# Altium PCB PCB1-nano-withlogo-SMT.PcbDoc (part 4 of 5) (continued)
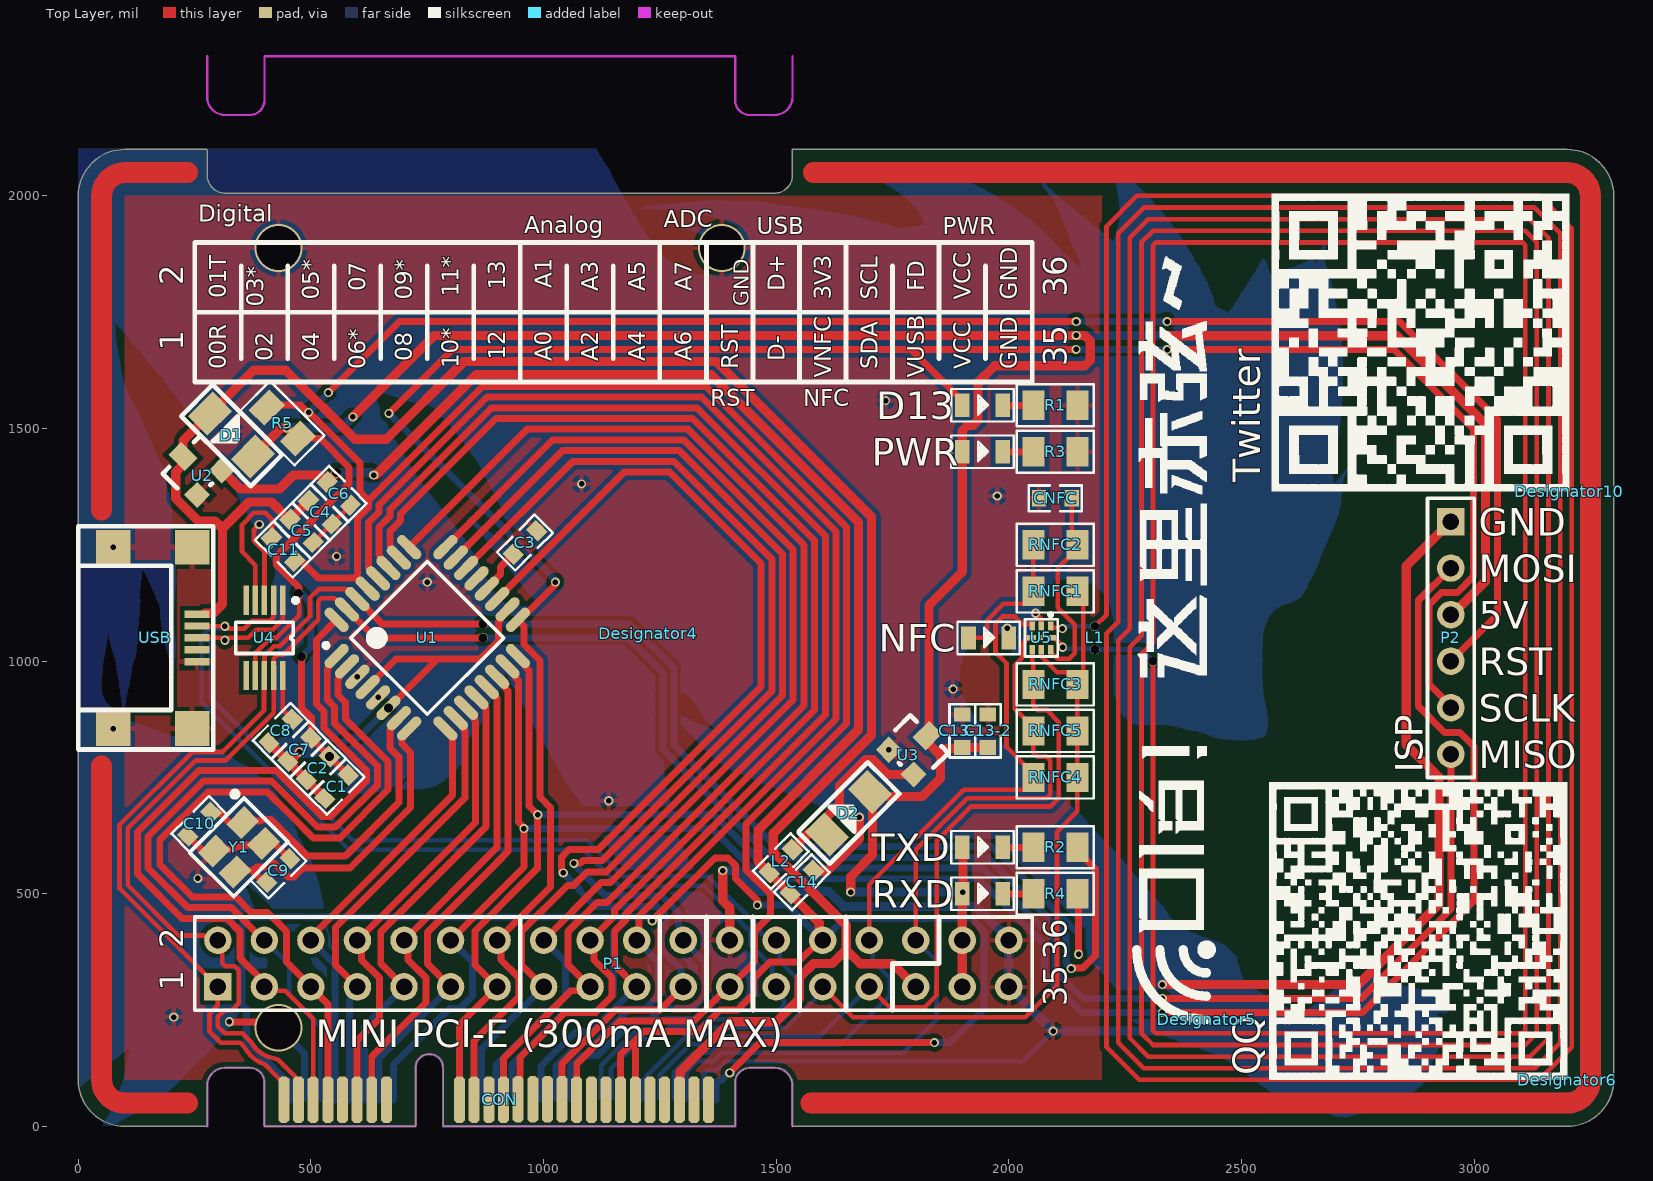
[diagram p0: Top Layer view]
## Nets (pads, with @x,y where several pads share a name; then routed paths per layer and width w, separated by ;. In a path a pad name is that pad's centre, name@x,y a point inside that pad or via, vN(x,y) a via of type N, cw(c..) or ccw(c..) an arc to the next point about the centre after c; other vN are vias at no path point) (continued)
; 2003,1013 2012,1013 ; 2003,1014 2014,1014 ; 2004,1015 2015,1015 ; 2005,586 2233,586 ; 2005,1016 2017,1016 ; 2005,1017 2018,1017 ; 2005,1018 2019,1018 ; 2006,585 2234,585 ; 2006,1019 2020,1019 ; 2006,1020 2020,1020 ; 2006,1021 2021,1021 ; 2006,1022 2022,1022 ; 2006,1023 2023,1023 ; 2007,584 2235,584 ; 2007,1024 2023,1024 ; 2007,1025 2024,1025 ; 2007,1026 2025,1026 ; 2008,583 2236,583 ; 2008,1027 2025,1027 ; 2008,1028 2026,1028 ; 2008,1029 2027,1029 ; 2008,1030 2027,1030 ; 2009,582 2237,582 ; 2009,1031 2028,1031 ; 2009,1032 2029,1032 ; 2009,1033 2030,1033 ; 2009,1034 2030,1034 ; 2010,580 2238,580 ; 2010,581 2238,581 ; 2010,1035 2031,1035 ; 2010,1036 2032,1036 ; 2010,1037 2032,1037 ; 2010,1038 2033,1038 ; 2011,579 2239,579 ; 2011,1039 2034,1039 ; 2011,1040 2035,1040 ; 2011,1041 2035,1041 ; 2012,578 2240,578 ; 2012,1042 2036,1042 ; 2012,1043 2037,1043 ; 2013,577 2241,577 ; 2013,1044 2038,1044 ; 2013,1045 2038,1045 ; 2013,1046 2039,1046 ; 2014,576 2242,576 ; 2014,1047 2040,1047 ; 2014,1048 2040,1048 ; 2014,1049 2041,1049 ; 2015,575 2242,575 ; 2015,1050 2042,1050 ; 2015,1051 2042,1051 ; 2016,574 2243,574 ; 2016,1052 2043,1052 ; 2016,1053 2043,1053 ; 2016,1054 2044,1054 ; 2017,573 2244,573 ; 2017,1055 2045,1055 ; 2017,1056 2045,1056 ; 2017,1057 2046,1057 ; 2018,572 2245,572 ; 2018,1058 2046,1058 ; 2018,1059 2046,1059 ; 2018,1060 2047,1060 ; 2018,1061 2047,1061 ; 2018,1062 2048,1062 ; 2019,571 2245,571 ; 2020,570 2246,570 ; 2021,569 2247,569 ; 2022,568 2248,568 ; 2023,567 2248,567 ; 2024,566 2249,566 ; 2025,565 2250,565 ; 2026,564 2251,564 ; 2027,563 2252,563 ; 2028,562 2253,562 ; 2029,561 2253,561 ; 2030,560 2254,560 ; 2031,559 2255,559 ; 2032,558 2256,558 ; 2033,557 2257,557 ; 2034,556 2257,556 ; 2035,555 2258,555 ; 2036,554 2259,554 ; 2037,553 2260,553 ; 2038,552 2261,552 ; 2039,551 2262,551 ; 2040,550 2262,550 ; 2041,549 2263,549 ; 2042,548 2264,548 ; 2043,547 2265,547 ; 2044,546 2266,546 ; 2045,545 2267,545 ; 2046,544 2268,544 ; 2047,543 2269,543 ; 2048,542 2270,542 ; 2049,541 2271,541 ; 2050,540 2272,540 ; 2051,539 2273,539 ; 2052,538 2274,538 ; 2053,537 2275,537 ; 2054,536 2276,536 ; 2055,535 2277,535 ; 2056,534 2278,534 ; 2057,533 2279,533 ; 2058,532 2280,532 ; 2059,531 2281,531 ; 2060,530 2281,530 ; 2061,529 2282,529 ; 2062,528 2283,528 ; 2063,527 2284,527 ; 2064,526 2285,526 ; 2065,525 2286,525 ; 2066,524 2287,524 ; 2067,523 2288,523 ; 2068,522 2289,522 ; 2068,2031 2071,2031 ; 2068,2032 2070,2032 ; 2069,521 2289,521 ; 2069,2029 2073,2029 ; 2069,2030 2072,2030 ; 2070,520 2290,520 ; 2070,2027 2077,2027 ; 2070,2028 2075,2028 ; 2071,519 2291,519 ; 2071,2026 2078,2026 ; 2072,518 2292,518 ; 2072,2024 2080,2024 ; 2072,2025 2079,2025 ; 2073,517 2292,517 ; 2073,2022 2082,2022 ; 2073,2023 2081,2023 ; 2074,516 2293,516 ; 2074,2021 2083,2021 ; 2075,515 2294,515 ; 2075,2019 2085,2019 ; 2075,2020 2084,2020 ; 2076,514 2295,514 ; 2076,2018 2086,2018 ; 2077,513 2295,513 ; 2077,2016 2088,2016 ; 2077,2017 2087,2017 ; 2078,2015 2089,2015 ; 2079,2014 2090,2014 ; 2080,512 2296,512 ; 2080,2012 2093,2012 ; 2080,2013 2092,2013 ; 2081,511 2297,511 ; 2081,2011 2094,2011 ; 2082,510 2298,510 ; 2082,2010 2095,2010 ; 2083,509 2299,509 ; 2083,2009 2096,2009 ; 2084,508 2300,508 ; 2084,2008 2097,2008 ; 2085,505 2303,505 ; 2085,506 2302,506 ; 2085,507 2301,507 ; 2085,2007 2098,2007 ; 2086,504 2304,504 ; 2086,2005 2100,2005 ; 2086,2006 2099,2006 ; 2087,503 2305,503 ; 2087,2004 2101,2004 ; 2088,502 2306,502 ; 2088,2003 2102,2003 ; 2089,501 2307,501 ; 2089,2002 2103,2002 ; 2090,500 2308,500 ; 2090,2001 2104,2001 ; 2091,499 2309,499 ; 2091,2000 2105,2000 ; 2092,498 2310,498 ; 2092,1999 2106,1999 ; 2093,497 2311,497 ; 2093,1998 2107,1998 ; 2094,496 2311,496 ; 2094,1997 2108,1997 ; 2095,495 2312,495 ; 2095,1996 2109,1996 ; 2096,494 2313,494 ; 2096,1994 2112,1994 ; 2096,1995 2110,1995 ; 2097,493 2314,493 ; 2097,1993 2113,1993 ; 2098,492 2314,492 ; 2098,1990 2116,1990 ; 2098,1991 2115,1991 ; 2098,1992 2114,1992 ; 2099,491 2315,491 ; 2099,1988 2118,1988 ; 2099,1989 2117,1989 ; 2100,490 2316,490 ; 2100,1986 2120,1986 ; 2100,1987 2119,1987 ; 2101,489 2317,489 ; 2101,1983 2125,1983 ; 2101,1984 2123,1984 ; 2101,1985 2121,1985 ; 2102,488 2317,488 ; 2102,1980 2130,1980 ; 2102,1981 2129,1981 ; 2102,1982 2127,1982 ; 2103,487 2318,487 ; 2103,1977 2133,1977 ; 2103,1978 2132,1978 ; 2103,1979 2131,1979 ; 2104,486 2319,486 ; 2104,1975 2136,1975 ; 2104,1976 2134,1976 ; 2105,485 2320,485 ; 2105,1973 2138,1973 ; 2105,1974 2137,1974 ; 2106,484 2321,484 ; 2106,1971 2140,1971 ; 2106,1972 2139,1972 ; 2107,483 2321,483 ; 2107,1970 2141,1970 ; 2108,482 2322,482 ; 2108,1968 2144,1968 ; 2108,1969 2143,1969 ; 2109,481 2323,481 ; 2109,1966 2146,1966 ; 2109,1967 2145,1967 ; 2110,480 2325,480 ; 2110,1964 2149,1964 ; 2110,1965 2147,1965 ; 2111,479 2326,479 ; 2111,1961 2152,1961 ; 2111,1962 2151,1962 ; 2111,1963 2150,1963 ; 2112,478 2326,478 ; 2112,1958 2157,1958 ; 2112,1959 2155,1959 ; 2112,1960 2154,1960 ; 2113,477 2327,477 ; 2113,1955 2162,1955 ; 2113,1956 2160,1956 ; 2113,1957 2159,1957 ; 2114,476 2328,476 ; 2114,1952 2166,1952 ; 2114,1953 2165,1953 ; 2114,1954 2164,1954 ; 2115,475 2329,475 ; 2115,1949 2169,1949 ; 2115,1950 2168,1950 ; 2115,1951 2167,1951 ; 2116,474 2330,474 ; 2116,1946 2172,1946 ; 2116,1947 2171,1947 ; 2116,1948 2170,1948 ; 2117,473 2331,473 ; 2117,1944 2174,1944 ; 2117,1945 2173,1945 ; 2118,472 2332,472 ; 2118,1941 2177,1941 ; 2118,1942 2176,1942 ; 2118,1943 2175,1943 ; 2119,471 2333,471 ; 2119,1939 2180,1939 ; 2119,1940 2179,1940 ; 2120,470 2334,470 ; 2120,1937 2182,1937 ; 2120,1938 2181,1938 ; 2121,469 2335,469 ; 2121,1934 2186,1934 ; 2121,1935 2185,1935 ; 2121,1936 2184,1936 ; 2122,468 2335,468 ; 2122,1932 2188,1932 ; 2122,1933 2187,1933 ; 2123,467 2336,467 ; 2123,1929 2192,1929 ; 2123,1930 2191,1930 ; 2123,1931 2190,1931 ; 2124,466 2337,466 ; 2124,1927 2195,1927 ; 2124,1928 2194,1928 ; 2125,465 2337,465 ; 2125,1925 2197,1925 ; 2125,1926 2196,1926 ; 2126,464 2338,464 ; 2126,1923 2200,1923 ; 2126,1924 2198,1924 ; 2127,463 2338,463 ; 2127,1921 2203,1921 ; 2127,1922 2201,1922 ; 2128,462 2339,462 ; 2128,1918 2206,1918 ; 2128,1919 2205,1919 ; 2128,1920 2204,1920 ; 2129,461 2339,461 ; 2129,1914 2210,1914 ; 2129,1915 2209,1915 ; 2129,1916 2208,1916 ; 2129,1917 2207,1917 ; 2130,460 2340,460 ; 2130,1911 2214,1911 ; 2130,1912 2213,1912 ; 2130,1913 2212,1913 ; 2131,459 2341,459 ; 2131,1908 2218,1908 ; 2131,1909 2216,1909 ; 2131,1910 2215,1910 ; 2132,458 2341,458 ; 2132,1905 2221,1905 ; 2132,1906 2220,1906 ; 2132,1907 2219,1907 ; 2133,457 2342,457 ; 2133,1903 2375,1903 ; 2133,1904 2222,1904 ; 2134,456 2343,456 ; 2134,1901 2376,1901 ; 2134,1902 2376,1902 ; 2135,455 2343,455 ; 2135,1898 2378,1898 ; 2135,1899 2378,1899 ; 2135,1900 2377,1900 ; 2136,454 2344,454 ; 2136,1896 2380,1896 ; 2136,1897 2379,1897 ; 2137,453 2345,453 ; 2137,1894 2381,1894 ; 2137,1895 2380,1895 ; 2138,452 2345,452 ; 2138,1892 2382,1892 ; 2138,1893 2382,1893 ; 2139,451 2346,451 ; 2139,1890 2383,1890 ; 2139,1891 2383,1891 ; 2140,450 2347,450 ; 2140,1888 2384,1888 ; 2140,1889 2384,1889 ; 2141,449 2348,449 ; 2141,1886 2385,1886 ; 2141,1887 2385,1887 ; 2142,448 2348,448 ; 2142,1884 2387,1884 ; 2142,1885 2386,1885 ; 2143,447 2349,447 ; 2143,1882 2388,1882 ; 2143,1883 2387,1883 ; 2144,446 2350,446 ; 2144,1176 2648,1176 ; 2144,1880 2389,1880 ; 2144,1881 2389,1881 ; 2145,445 2351,445 ; 2145,1878 2391,1878 ; 2145,1879 2390,1879 ; 2146,444 2352,444 ; 2146,1875 2393,1875 ; 2146,1876 2392,1876 ; 2146,1877 2391,1877 ; 2147,443 2353,443 ; 2147,1873 2394,1873 ; 2147,1874 2393,1874 ; 2148,442 2354,442 ; 2148,1872 2394,1872 ; 2149,441 2355,441 ; 2149,1175 2648,1175 ; 2149,1870 2395,1870 ; 2149,1871 2395,1871 ; 2150,440 2356,440 ; 2150,1866 2398,1866 ; 2150,1867 2397,1867 ; 2150,1868 2397,1868 ; 2150,1869 2396,1869 ; 2151,439 2357,439 ; 2151,1751 2333,1751 ; 2151,1863 2399,1863 ; 2151,1864 2399,1864 ; 2151,1865 2398,1865 ; 2152,438 2358,438 ; 2152,1174 2647,1174 ; 2152,1860 2401,1860 ; 2152,1861 2400,1861 ; 2152,1862 2400,1862 ; 2153,1654 2330,1654 ; 2153,1856 2403,1856 ; 2153,1857 2403,1857 ; 2153,1858 2402,1858 ; 2153,1859 2402,1859 ; 2154,437 2359,437 ; 2154,1655 2328,1655 ; 2154,1750 2330,1750 ; 2154,1853 2405,1853 ; 2154,1854 2405,1854 ; 2154,1855 2404,1855 ; 2155,436 2360,436 ; 2155,1749 2328,1749 ; 2155,1846 2410,1846 ; 2155,1847 2409,1847 ; 2155,1848 2408,1848 ; 2155,1849 2408,1849 ; 2155,1850 2407,1850 ; 2155,1851 2407,1851 ; 2155,1852 2406,1852 ; 2156,435 2361,435 ; 2156,1173 2647,1173 ; 2157,434 2363,434 ; 2158,433 2364,433 ; 2159,431 2367,431 ; 2159,432 2365,432 ; 2160,430 2368,430 ; 2161,429 2369,429 ; 2161,1172 2646,1172 ; 2162,428 2370,428 ; 2163,427 2372,427 ; 2164,426 2373,426 ; 2165,385 2470,385 ; 2165,386 2468,386 ; 2165,387 2467,387 ; 2165,388 2466,388 ; 2165,389 2465,389 ; 2165,390 2463,390 ; 2165,391 2462,391 ; 2165,392 2460,392 ; 2165,393 2458,393 ; 2165,394 2456,394 ; 2165,395 2454,395 ; 2165,396 2452,396 ; 2165,397 2450,397 ; 2165,398 2447,398 ; 2165,399 2443,399 ; 2165,400 2440,400 ; 2165,401 2437,401 ; 2165,402 2434,402 ; 2165,403 2430,403 ; 2165,404 2427,404 ; 2165,405 2425,405 ; 2165,406 2422,406 ; 2165,407 2419,407 ; 2165,408 2417,408 ; 2165,409 2414,409 ; 2165,410 2412,410 ; 2165,411 2409,411 ; 2165,412 2407,412 ; 2165,413 2405,413 ; 2165,414 2403,414 ; 2165,415 2401,415 ; 2165,416 2394,416 ; 2165,417 2392,417 ; 2165,418 2389,418 ; 2165,419 2387,419 ; 2165,420 2385,420 ; 2165,421 2383,421 ; 2165,422 2381,422 ; 2165,423 2379,423 ; 2165,424 2377,424 ; 2165,425 2375,425 ; 2165,1171 2645,1171 ; 2166,382 2473,382 ; 2166,383 2472,383 ; 2166,384 2471,384 ; 2167,381 2474,381 ; 2168,365 2489,365 ; 2168,366 2489,366 ; 2168,367 2488,367 ; 2168,368 2487,368 ; 2168,369 2486,369 ; 2168,370 2484,370 ; 2168,371 2483,371 ; 2168,372 2482,372 ; 2168,373 2481,373 ; 2168,374 2480,374 ; 2168,375 2479,375 ; 2168,376 2478,376 ; 2168,377 2477,377 ; 2168,378 2477,378 ; 2168,379 2476,379 ; 2168,380 2475,380 ; 2168,1170 2644,1170 ; 2169,364 2490,364 ; 2170,362 2491,362 ; 2170,363 2490,363 ; 2171,361 2491,361 ; 2172,360 2491,360 ; 2172,1169 2644,1169 ; 2173,359 2491,359 ; 2174,357 2490,357 ; 2174,358 2491,358 ; 2175,356 2490,356 ; 2175,1168 2643,1168 ; 2176,355 2490,355 ; 2177,353 2491,353 ; 2177,354 2491,354 ; 2178,352 2492,352 ; 2178,1167 2643,1167 ; 2179,351 2492,351 ; 2180,350 2492,350 ; 2181,349 2493,349 ; 2181,1166 2643,1166 ; 2182,348 2493,348 ; 2183,347 2493,347 ; 2183,1165 2642,1165 ; 2184,346 2494,346 ; 2184,1164 2642,1164 ; 2185,345 2494,345 ; 2186,344 2494,344 ; 2186,1163 2642,1163 ; 2187,343 2495,343 ; 2187,1162 2641,1162 ; 2188,342 2495,342 ; 2188,1161 2641,1161 ; 2189,341 2495,341 ; 2189,1160 2640,1160 ; 2190,340 2496,340 ; 2190,1159 2640,1159 ; 2191,339 2496,339 ; 2192,338 2496,338 ; 2192,1158 2640,1158 ; 2193,1157 2639,1157 ; 2194,337 2496,337 ; 2194,1156 2639,1156 ; 2195,336 2497,336 ; 2195,1155 2638,1155 ; 2196,335 2497,335 ; 2196,1154 2637,1154 ; 2197,334 2497,334 ; 2197,1153 2637,1153 ; 2198,333 2498,333 ; 2198,1152 2636,1152 ; 2199,332 2498,332 ; 2199,1151 2636,1151 ; 2200,330 2499,330 ; 2200,331 2498,331 ; 2200,1150 2635,1150 ; 2201,329 2499,329 ; 2201,1149 2634,1149 ; 2202,328 2499,328 ; 2202,1147 2633,1147 ; 2202,1148 2634,1148 ; 2203,1146 2632,1146 ; 2203,2066 2210,2066 ; 2203,2067 2207,2067 ; 2204,327 2500,327 ; 2204,1145 2632,1145 ; 2204,2065 2212,2065 ; 2205,325 2501,325 ; 2205,326 2500,326 ; 2205,1144 2631,1144 ; 2206,324 2501,324 ; 2206,1142 2630,1142 ; 2206,1143 2630,1143 ; 2206,2064 2215,2064 ; 2207,323 2502,323 ; 2207,1141 2629,1141 ; 2208,322 2503,322 ; 2208,1140 2628,1140 ; 2208,2063 2217,2063 ; 2209,321 2503,321 ; 2209,1138 2627,1138 ; 2209,1139 2627,1139 ; 2209,2062 2219,2062 ; 2210,320 2503,320 ; 2210,1137 2626,1137 ; 2211,319 2503,319 ; 2211,1135 2622,1135 ; 2211,1136 2624,1136 ; 2211,2061 2221,2061 ; 2212,318 2502,318 ; 2212,1133 2619,1133 ; 2212,1134 2621,1134 ; 2212,2060 2223,2060 ; 2213,317 2503,317 ; 2213,1131 2615,1131 ; 2213,1132 2617,1132 ; 2213,2059 2225,2059 ; 2214,315 2504,315 ; 2214,316 2503,316 ; 2214,1129 2610,1129 ; 2214,1130 2612,1130 ; 2215,314 2505,314 ; 2215,1127 2606,1127 ; 2215,1128 2608,1128 ; 2215,2057 2230,2057 ; 2215,2058 2228,2058 ; 2216,313 2506,313 ; 2216,1125 2600,1125 ; 2216,1126 2603,1126 ; 2216,2056 2232,2056 ; 2217,312 2507,312 ; 2217,1122 2591,1122 ; 2217,1123 2594,1123 ; 2217,1124 2597,1124 ; 2217,2055 2234,2055 ; 2218,311 2508,311 ; 2218,1119 2584,1119 ; 2218,1120 2586,1120 ; 2218,1121 2589,1121 ; 2218,2054 2236,2054 ; 2219,310 2509,310 ; 2219,1115 2578,1115 ; 2219,1116 2579,1116 ; 2219,1117 2581,1117 ; 2219,1118 2582,1118 ; 2219,2052 2239,2052 ; 2219,2053 2237,2053 ; 2220,309 2510,309 ; 2220,1110 2571,1110 ; 2220,1111 2572,1111 ; 2220,1112 2574,1112 ; 2220,1113 2575,1113 ; 2220,1114 2576,1114 ; 2220,2051 2241,2051 ; 2221,308 2511,308 ; 2221,1105 2566,1105 ; 2221,1106 2567,1106 ; 2221,1107 2568,1107 ; 2221,1108 2569,1108 ; 2221,1109 2570,1109 ; 2221,2049 2245,2049 ; 2221,2050 2243,2050 ; 2222,307 2512,307 ; 2222,1100 2562,1100 ; 2222,1101 2563,1101 ; 2222,1102 2563,1102 ; 2222,1103 2564,1103 ; 2222,1104 2565,1104 ; 2222,2048 2246,2048 ; 2223,306 2513,306 ; 2223,1096 2559,1096 ; 2223,1097 2560,1097 ; 2223,1098 2560,1098 ; 2223,1099 2561,1099 ; 2223,2046 2249,2046 ; 2223,2047 2248,2047 ; 2224,304 2515,304 ; 2224,305 v1(2330,305) 2514,305 ; 2224,960 2545,960 ; 2224,961 2545,961 ; 2224,962 2545,962 ; 2224,963 2545,963 ; 2224,964 2545,964 ; 2224,965 2545,965 ; 2224,966 2545,966 ; 2224,967 2545,967 ; 2224,968 2545,968 ; 2224,969 2545,969 ; 2224,970 2545,970 ; 2224,971 2545,971 ; 2224,972 2545,972 ; 2224,973 2545,973 ; 2224,974 2545,974 ; 2224,975 2545,975 ; 2224,976 2545,976 ; 2224,977 2545,977 ; 2224,978 2545,978 ; 2224,979 2545,979 ; 2224,980 2545,980 ; 2224,981 2545,981 ; 2224,982 2545,982 ; 2224,983 2545,983 ; 2224,984 2300,984 ; 2224,985 2298,985 ; 2224,986 2297,986 ; 2224,987 2296,987 ; 2224,988 2295,988 ; 2224,989 2294,989 ; 2224,1091 2556,1091 ; 2224,1092 2557,1092 ; 2224,1093 2557,1093 ; 2224,1094 2558,1094 ; 2224,1095 2559,1095 ; 2224,2044 2252,2044 ; 2224,2045 2251,2045 ; 2225,303 2516,303 ; 2225,937 2547,937 ; 2225,938 2547,938 ; 2225,939 2547,939 ; 2225,940 2546,940 ; 2225,941 2546,941 ; 2225,942 2546,942 ; 2225,943 2546,943 ; 2225,944 2546,944 ; 2225,945 2546,945 ; 2225,946 2546,946 ; 2225,947 2546,947 ; 2225,948 2546,948 ; 2225,949 2546,949 ; 2225,950 2546,950 ; 2225,951 2546,951 ; 2225,952 2546,952 ; 2225,953 2546,953 ; 2225,954 2545,954 ; 2225,955 2545,955 ; 2225,956 2545,956 ; 2225,957 2545,957 ; 2225,958 2545,958 ; 2225,959 2545,959 ; 2225,990 2293,990 ; 2225,991 2292,991 ; 2225,992 2292,992 ; 2225,993 2291,993 ; 2225,994 2291,994 ; 2225,995 2290,995 ; 2225,996 2290,996 ; 2225,997 2289,997 ; 2225,998 2289,998 ; 2225,999 2289,999 ; 2225,1000 2289,1000 ; 2225,1001 2289,1001 ; 2225,1002 2289,1002 ; 2225,1003 2288,1003 ; 2225,1004 2287,1004 ; 2225,1005 2286,1005 ; 2225,1006 2285,1006 ; 2225,1007 2284,1007 ; 2225,1008 2283,1008 ; 2225,1009 2282,1009 ; 2225,1010 2281,1010 ; 2225,1011 2280,1011 ; 2225,1012 2279,1012 ; 2225,1013 2278,1013 ; 2225,1041 2546,1041 ; 2225,1042 2546,1042 ; 2225,1043 2546,1043 ; 2225,1044 2546,1044 ; 2225,1075 2550,1075 ; 2225,1076 2551,1076 ; 2225,1077 2551,1077 ; 2225,1078 2551,1078 ; 2225,1079 2551,1079 ; 2225,1080 2552,1080 ; 2225,1081 2552,1081 ; 2225,1082 2553,1082 ; 2225,1083 2553,1083 ; 2225,1084 2553,1084 ; 2225,1085 2554,1085 ; 2225,1086 2554,1086 ; 2225,1087 2555,1087 ; 2225,1088 2555,1088 ; 2225,1089 2555,1089 ; 2225,1090 2556,1090 ; 2225,2042 2254,2042 ; 2225,2043 2253,2043 ; 2226,302 2518,302 ; 2226,932 2547,932 ; 2226,933 2547,933 ; 2226,934 2547,934 ; 2226,935 2547,935 ; 2226,936 2547,936 ; 2226,1045 2546,1045 ; 2226,1046 2546,1046 ; 2226,1047 2546,1047 ; 2226,1048 2546,1048 ; 2226,1049 2546,1049 ; 2226,1050 2546,1050 ; 2226,1051 2546,1051 ; 2226,1052 2546,1052 ; 2226,1053 2546,1053 ; 2226,1054 2546,1054 ; 2226,1055 2546,1055 ; 2226,1056 2546,1056 ; 2226,1057 2546,1057 ; 2226,1058 2547,1058 ; 2226,1065 2548,1065 ; 2226,1066 2548,1066 ; 2226,1067 2548,1067 ; 2226,1068 2548,1068 ; 2226,1069 2549,1069 ; 2226,1070 2549,1070 ; 2226,1071 2549,1071 ; 2226,1072 2549,1072 ; 2226,1073 2550,1073 ; 2226,1074 2550,1074 ; 2226,1904 2374,1904 ; 2226,1905 2374,1905 ; 2226,2040 2257,2040 ; 2226,2041 2256,2041 ; 2227,301 2519,301 ; 2227,928 2547,928 ; 2227,929 2547,929 ; 2227,930 2547,930 ; 2227,931 2547,931 ; 2227,1059 2547,1059 ; 2227,1060 2547,1060 ; 2227,1061 2547,1061 ; 2227,1062 2547,1062 ; 2227,1063 2547,1063 ; 2227,1064 2548,1064 ; 2227,1906 2373,1906 ; 2227,1907 2373,1907 ; 2227,1908 2372,1908 ; 2227,2038 2260,2038 ; 2227,2039 2258,2039 ; 2228,299 2522,299 ; 2228,300 2521,300 ; 2228,925 2548,925 ; 2228,926 2548,926 ; 2228,927 2547,927 ; 2228,1909 2371,1909 ; 2228,1910 2370,1910 ; 2228,1911 2370,1911 ; 2228,2035 2263,2035 ; 2228,2036 2262,2036 ; 2228,2037 2261,2037 ; 2229,298 2524,298 ; 2229,921 2548,921 ; 2229,922 2548,922 ; 2229,923 2548,923 ; 2229,924 2548,924 ; 2229,1912 2369,1912 ; 2229,1913 2368,1913 ; 2229,1914 2368,1914 ; 2229,2031 2268,2031 ; 2229,2032 2267,2032 ; 2229,2033 2266,2033 ; 2229,2034 2265,2034 ; 2230,297 2526,297 ; 2230,917 2549,917 ; 2230,918 2549,918 ; 2230,919 2549,919 ; 2230,920 2548,920 ; 2230,1915 2367,1915 ; 2230,1916 2367,1916 ; 2230,1917 2366,1917 ; 2230,1918 2365,1918 ; 2230,2027 2272,2027 ; 2230,2028 2271,2028 ; 2230,2029 2270,2029 ; 2230,2030 2269,2030 ; 2231,296 2528,296 ; 2231,914 2550,914 ; 2231,915 2550,915 ; 2231,916 2549,916 ; 2231,1919 2365,1919 ; 2231,1920 2364,1920 ; 2231,1921 2363,1921 ; 2231,1922 2362,1922 ; 2231,2023 2276,2023 ; 2231,2024 2275,2024 ; 2231,2025 2274,2025 ; 2231,2026 2273,2026 ; 2232,294 2319,294 ; 2232,295 2321,295 ; 2232,911 2551,911 ; 2232,912 2550,912 ; 2232,913 2550,913 ; 2232,1923 2362,1923 ; 2232,1924 2361,1924 ; 2232,1925 2360,1925 ; 2232,1926 2359,1926 ; 2232,2016 2283,2016 ; 2232,2017 2282,2017 ; 2232,2018 2281,2018 ; 2232,2019 2280,2019 ; 2232,2020 2279,2020 ; 2232,2021 2278,2021 ; 2232,2022 2277,2022 ; 2233,908 2551,908 ; 2233,909 2551,909 ; 2233,910 2551,910 ; 2233,1927 2359,1927 ; 2233,1928 2358,1928 ; 2233,1929 2357,1929 ; 2233,1930 2357,1930 ; 2233,2008 2291,2008 ; 2233,2009 2290,2009 ; 2233,2010 2289,2010 ; 2233,2011 2288,2011 ; 2233,2012 2287,2012 ; 2233,2013 2286,2013 ; 2233,2014 2285,2014 ; 2233,2015 2284,2015 ; 2234,906 2551,906 ; 2234,907 2551,907 ; 2234,1931 2356,1931 ; 2234,1932 2355,1932 ; 2234,1933 2355,1933 ; 2234,1934 2354,1934 ; 2234,2001 2298,2001 ; 2234,2002 2297,2002 ; 2234,2003 2296,2003 ; 2234,2004 2295,2004 ; 2234,2005 2294,2005 ; 2234,2006 2293,2006 ; 2234,2007 2292,2007 ; 2235,903 2552,903 ; 2235,904 2552,904 ; 2235,905 2552,905 ; 2235,1935 2353,1935 ; 2235,1936 2352,1936 ; 2235,1937 2351,1937 ; 2235,1996 2303,1996 ; 2235,1997 2302,1997 ; 2235,1998 2301,1998 ; 2235,1999 2300,1999 ; 2235,2000 2299,2000 ; 2236,901 2553,901 ; 2236,902 2552,902 ; 2236,1938 2351,1938 ; 2236,1939 2350,1939 ; 2236,1940 2349,1940 ; 2236,1941 2348,1941 ; 2236,1942 2348,1942 ; 2236,1991 2307,1991 ; 2236,1992 2306,1992 ; 2236,1993 2305,1993 ; 2236,1994 2305,1994 ; 2236,1995 2304,1995 ; 2237,899 2553,899 ; 2237,900 2553,900 ; 2237,1943 2347,1943 ; 2237,1944 2347,1944 ; 2237,1945 2347,1945 ; 2237,1946 2346,1946 ; 2237,1947 2345,1947 ; 2237,1948 2344,1948 ; 2237,1949 2343,1949 ; 2237,1950 2342,1950 ; 2237,1951 2341,1951 ; 2237,1952 2341,1952 ; 2237,1953 2340,1953 ; 2237,1954 2339,1954 ; 2237,1955 2338,1955 ; 2237,1956 2337,1956 ; 2237,1957 2336,1957 ; 2237,1958 2335,1958 ; 2237,1959 2334,1959 ; 2237,1960 2333,1960 ; 2237,1961 2332,1961 ; 2237,1982 2315,1982 ; 2237,1983 2314,1983 ; 2237,1984 2313,1984 ; 2237,1985 2312,1985 ; 2237,1986 2312,1986 ; 2237,1987 2311,1987 ; 2237,1988 2310,1988 ; 2237,1989 2309,1989 ; 2237,1990 2308,1990 ; 2238,897 2553,897 ; 2238,898 2553,898 ; 2238,1962 2332,1962 ; 2238,1963 2331,1963 ; 2238,1964 2330,1964 ; 2238,1965 2330,1965 ; 2238,1966 2329,1966 ; 2238,1967 2328,1967 ; 2238,1968 2327,1968 ; 2238,1969 2326,1969 ; 2238,1970 2325,1970 ; 2238,1971 2324,1971 ; 2238,1972 2323,1972 ; 2238,1973 2322,1973 ; 2238,1974 2321,1974 ; 2238,1975 2321,1975 ; 2238,1976 2320,1976 ; 2238,1977 2319,1977 ; 2238,1978 2318,1978 ; 2238,1979 2317,1979 ; 2238,1980 2316,1980 ; 2238,1981 2316,1981 ; 2239,895 2554,895 ; 2239,896 2554,896 ; 2240,893 2554,893 ; 2240,894 2554,894 ; 2241,891 2554,891 ; 2241,892 2554,892 ; 2242,889 2554,889 ; 2242,890 2554,890 ; 2243,887 2554,887 ; 2243,888 2554,888 ; 2244,886 2555,886 ; 2245,885 2555,885 ; 2246,884 2555,884 ; 2247,882 2555,882 ; 2247,883 2555,883 ; 2248,881 2555,881 ; 2249,880 2556,880 ; 2251,879 2556,879 ; 2252,878 2556,878 ; 2253,877 2556,877 ; 2254,876 2556,876 ; 2255,875 2556,875 ; 2256,874 2556,874 ; 2257,873 2556,873 ; 2259,872 2556,872 ; 2260,871 2556,871 ; 2261,230 2318,230 ; 2262,870 2556,870 ; 2263,229 2320,229 ; 2264,869 2556,869 ; 2265,228 2323,228 ; 2265,868 2556,868 ; 2267,227 2928,227 ; 2267,867 2556,867 ; 2269,226 2928,226 ; 2269,866 2556,866 ; 2271,225 2350,225 2928,225 ; 2272,865 2556,865 ; 2273,224 2350,224 2928,224 ; 2274,223 2350,223 2928,223 ; 2275,864 2556,864 ; 2276,222 2350,222 2928,222 ; 2278,221 2350,221 2929,221 ; 2279,220 2350,220 2929,220 ; 2279,863 2284,863 ; 2280,219 2350,219 2929,219 ; 2281,218 2350,218 2929,218 ; 2283,217 2350,217 2929,217 ; 2286,216 2350,216 2929,216 ; 2288,215 2290,215 2299,215 2309,215 2324,215 2334,215 2340,215 2929,215 ; 2290,214 2299,214 2309,214 2324,214 2334,214 2340,214 2350,214 2929,214 ; 2292,1040 2546,1040 ; 2293,213 2309,213 2324,213 2340,213 2350,213 2929,213 ; 2293,1039 2545,1039 ; 2294,1038 2545,1038 ; 2295,212 2309,212 2324,212 2340,212 2350,212 2929,212 ; 2295,1037 2545,1037 ; 2296,1036 2545,1036 ; 2297,211 2309,211 2324,211 2340,211 2350,211 2929,211 ; 2297,1035 2545,1035 ; 2298,1034 2545,1034 ; 2299,210 2309,210 2324,210 2340,210 2350,210 2928,210 ; 2299,1033 2545,1033 ; 2300,1032 2545,1032 ; 2301,209 2324,209 2340,209 2350,209 2928,209 ; 2301,1031 2545,1031 ; 2302,1030 2545,1030 ; 2303,208 2324,208 2340,208 2350,208 2928,208 ; 2303,1029 2545,1029 ; 2304,1028 2545,1028 ; 2305,207 2324,207 2340,207 2350,207 2928,207 ; 2305,1027 2545,1027 ; 2306,1026 2545,1026 ; 2307,206 2324,206 2340,206 2350,206 2928,206 ; 2307,1025 2545,1025 ; 2308,1024 2545,1024 ; 2309,205 2324,205 2340,205 2350,205 2928,205 ; 2309,1023 2545,1023 ; 2310,1022 2545,1022 ; 2311,204 2324,204 2340,204 2928,204 ; 2311,1021 2545,1021 ; 2314,203 2324,203 2340,203 2928,203 ; 2316,202 2340,202 2928,202 ; 2318,1020 2545,1020 ; 2319,201 2340,201 2928,201 ; 2319,984 2545,984 ; 2320,985 2545,985 ; 2320,1019 2545,1019 ; 2321,200 2340,200 2928,200 ; 2321,986 2545,986 ; 2321,1018 2545,1018 ; 2322,987 2545,987 ; 2322,1017 2545,1017 ; 2323,988 2545,988 ; 2323,1016 2545,1016 ; 2324,199 2340,199 2928,199 ; 2324,989 2545,989 ; 2324,1015 2545,1015 ; 2325,990 2545,990 ; 2325,1014 2545,1014 ; 2326,991 2545,991 ; 2326,1013 2545,1013 ; 2327,198 2340,198 2928,198 ; 2327,992 2545,992 ; 2327,1012 2545,1012 ; 2328,993 2545,993 ; 2328,994 2545,994 ; 2328,995 2545,995 ; 2328,1009 2545,1009 ; 2328,1010 2545,1010 ; 2328,1011 2545,1011 ; 2329,197 2340,197 2928,197 ; 2329,996 2545,996 ; 2329,997 2545,997 ; 2329,998 2545,998 ; 2329,999 2545,999 ; 2329,1000 2546,1000 ; 2329,1001 2546,1001 ; 2329,1002 2546,1002 ; 2329,1003 2546,1003 ; 2329,1004 2545,1004 ; 2329,1005 2545,1005 ; 2329,1006 2545,1006 ; 2329,1007 2545,1007 ; 2329,1008 2545,1008 ; 2332,196 2340,196 2928,196 ; 2334,195 2340,195 2928,195 ; 2335,228 2927,228 ; 2336,863 2556,863 ; 2337,194 2927,194 ; 2337,295 2530,295 ; 2338,229 2927,229 ; 2339,294 2532,294 ; 2340,193 2927,193 ; 2340,230 2927,230 ; 2341,293 2533,293 ; 2342,231 2926,231 ; 2342,292 2535,292 ; 2343,192 2927,192 ; 2343,232 2926,232 ; 2343,261 2588,261 ; 2343,262 2586,262 ; 2343,291 2537,291 ; 2344,233 2926,233 ; 2344,260 2590,260 ; 2344,263 2585,263 ; 2344,290 2538,290 ; 2345,234 2925,234 ; 2345,259 2592,259 ; 2345,264 2583,264 ; 2345,289 2540,289 ; 2345,1653 2718,1653 ; 2346,191 2927,191 ; 2346,235 2925,235 ; 2346,258 2593,258 ; 2346,265 2581,265 ; 2346,288 2542,288 ; 2346,1751 2466,1751 ; 2347,236 2924,236 ; 2347,237 2923,237 ; 2347,256 2597,256 ; 2347,257 2595,257 ; 2347,266 2579,266 ; 2347,267 2577,267 ; 2347,286 2545,286 ; 2347,287 2543,287 ; 2348,238 2923,238 ; 2348,239 2922,239 ; 2348,240 2921,240 ; 2348,241 2920,241 ; 2348,242 2919,242 ; 2348,243 2624,243 ; 2348,244 2621,244 ; 2348,245 2619,245 ; 2348,246 2616,246 ; 2348,247 2614,247 ; 2348,248 2612,248 ; 2348,249 2610,249 ; 2348,250 2608,250 ; 2348,251 2606,251 ; 2348,252 2604,252 ; 2348,253 2602,253 ; 2348,254 2600,254 ; 2348,255 2598,255 ; 2348,268 2575,268 ; 2348,269 2573,269 ; 2348,270 2572,270 ; 2348,271 2571,271 ; 2348,272 2569,272 ; 2348,273 2567,273 ; 2348,274 2565,274 ; 2348,275 2563,275 ; 2348,276 2561,276 ; 2348,277 2559,277 ; 2348,278 2558,278 ; 2348,279 2556,279 ; 2348,280 2555,280 ; 2348,281 2553,281 ; 2348,282 2551,282 ; 2348,283 2550,283 ; 2348,284 2548,284 ; 2348,285 2547,285 ; 2348,862 2556,862 ; 2349,1654 2718,1654 ; 2349,1750 2468,1750 ; 2350,190 2927,190 ; 2350,1655 2718,1655 ; 2350,1749 2470,1749 ; 2351,1748 2707,1748 ; 2352,1656 2718,1656 ; 2352,1717 2712,1717 ; 2352,1747 2707,1747 ; 2353,189 2926,189 ; 2353,1657 2718,1657 ; 2353,1686 2716,1686 ; 2353,1687 2716,1687 ; 2353,1716 2713,1716 ; 2353,1718 2712,1718 ; 2353,1746 2708,1746 ; 2354,861 2556,861 ; 2354,1658 2717,1658 ; 2354,1685 2716,1685 ; 2354,1688 2716,1688 ; 2354,1715 2713,1715 ; 2354,1719 2712,1719 ; 2354,1745 2708,1745 ; 2355,188 2926,188 ; 2355,1659 2717,1659 ; 2355,1684 2716,1684 ; 2355,1689 2716,1689 ; 2355,1714 2713,1714 ; 2355,1720 2712,1720 ; 2355,1744 2708,1744 ; 2356,1660 2717,1660 ; 2356,1683 2716,1683 ; 2356,1690 2716,1690 ; 2356,1713 2713,1713 ; 2356,1721 2712,1721 ; 2356,1743 2708,1743 ; 2357,187 2926,187 ; 2357,1661 2717,1661 ; 2357,1662 2717,1662 ; 2357,1663 2717,1663 ; 2357,1681 2716,1681 ; 2357,1682 2716,1682 ; 2357,1691 2716,1691 ; 2357,1692 2716,1692 ; 2357,1711 2714,1711 ; 2357,1712 2713,1712 ; 2357,1722 2711,1722 ; 2357,1723 2711,1723 ; 2357,1741 2709,1741 ; 2357,1742 2709,1742 ; 2358,1664 2717,1664 ; 2358,1665 2717,1665 ; 2358,1666 2717,1666 ; 2358,1667 2717,1667 ; 2358,1668 2717,1668 ; 2358,1669 2717,1669 ; 2358,1670 2717,1670 ; 2358,1671 2717,1671 ; 2358,1672 2717,1672 ; 2358,1673 2717,1673 ; 2358,1674 2717,1674 ; 2358,1675 2717,1675 ; 2358,1676 2717,1676 ; 2358,1677 2716,1677 ; 2358,1678 2716,1678 ; 2358,1679 2716,1679 ; 2358,1680 2716,1680 ; 2358,1693 2716,1693 ; 2358,1694 2716,1694 ; 2358,1695 2716,1695 ; 2358,1696 2715,1696 ; 2358,1709 2714,1709 ; 2358,1710 2714,1710 ; 2358,1724 2711,1724 ; 2358,1725 2711,1725 ; 2358,1726 2711,1726 ; 2358,1727 2711,1727 ; 2358,1728 2711,1728 ; 2358,1729 2710,1729 ; 2358,1730 2710,1730 ; 2358,1731 2710,1731 ; 2358,1732 2710,1732 ; 2358,1733 2710,1733 ; 2358,1734 2710,1734 ; 2358,1735 2710,1735 ; 2358,1736 2710,1736 ; 2358,1737 2709,1737 ; 2358,1738 2709,1738 ; 2358,1739 2709,1739 ; 2358,1740 2709,1740 ; 2359,860 2556,860 ; 2359,1697 2715,1697 ; 2359,1698 2715,1698 ; 2359,1699 2715,1699 ; 2359,1700 2715,1700 ; 2359,1701 2715,1701 ; 2359,1702 2715,1702 ; 2359,1703 2715,1703 ; 2359,1704 2715,1704 ; 2359,1705 2715,1705 ; 2359,1706 2714,1706 ; 2359,1707 2714,1707 ; 2359,1708 2714,1708 ; 2360,186 2926,186 ; 2363,185 2926,185 ; 2363,859 2555,859 ; 2365,184 2926,184 ; 2368,183 2925,183 ; 2368,858 2555,858 ; 2371,182 2925,182 ; 2373,857 2555,857 ; 2374,181 2925,181 ; 2376,180 2925,180 ; 2377,856 2555,856 ; 2379,179 2925,179 ; 2380,855 2555,855 ; 2382,178 2925,178 ; 2384,177 2925,177 ; 2384,854 2555,854 ; 2387,176 2924,176 ; 2388,853 2554,853 ; 2390,175 2924,175 ; 2393,852 2554,852 ; 2394,174 2924,174 ; 2397,173 2924,173 ; 2397,416 2398,416 ; 2398,851 2554,851 ; 2400,172 2924,172 ; 2402,850 2554,850 ; 2403,171 2923,171 ; 2405,170 2923,170 ; 2406,849 2554,849 ; 2408,169 2923,169 ; 2410,848 2553,848 ; 2411,168 2923,168 ; 2413,847 2553,847 ; 2414,167 2923,167 ; 2416,166 2922,166 ; 2416,846 2553,846 ; 2419,165 2922,165 ; 2422,164 2922,164 ; 2422,845 2553,845 ; 2424,844 2552,844 ; 2425,163 2921,163 ; 2427,843 2552,843